# KiCad board tkl_keyboard.kicad_pcb
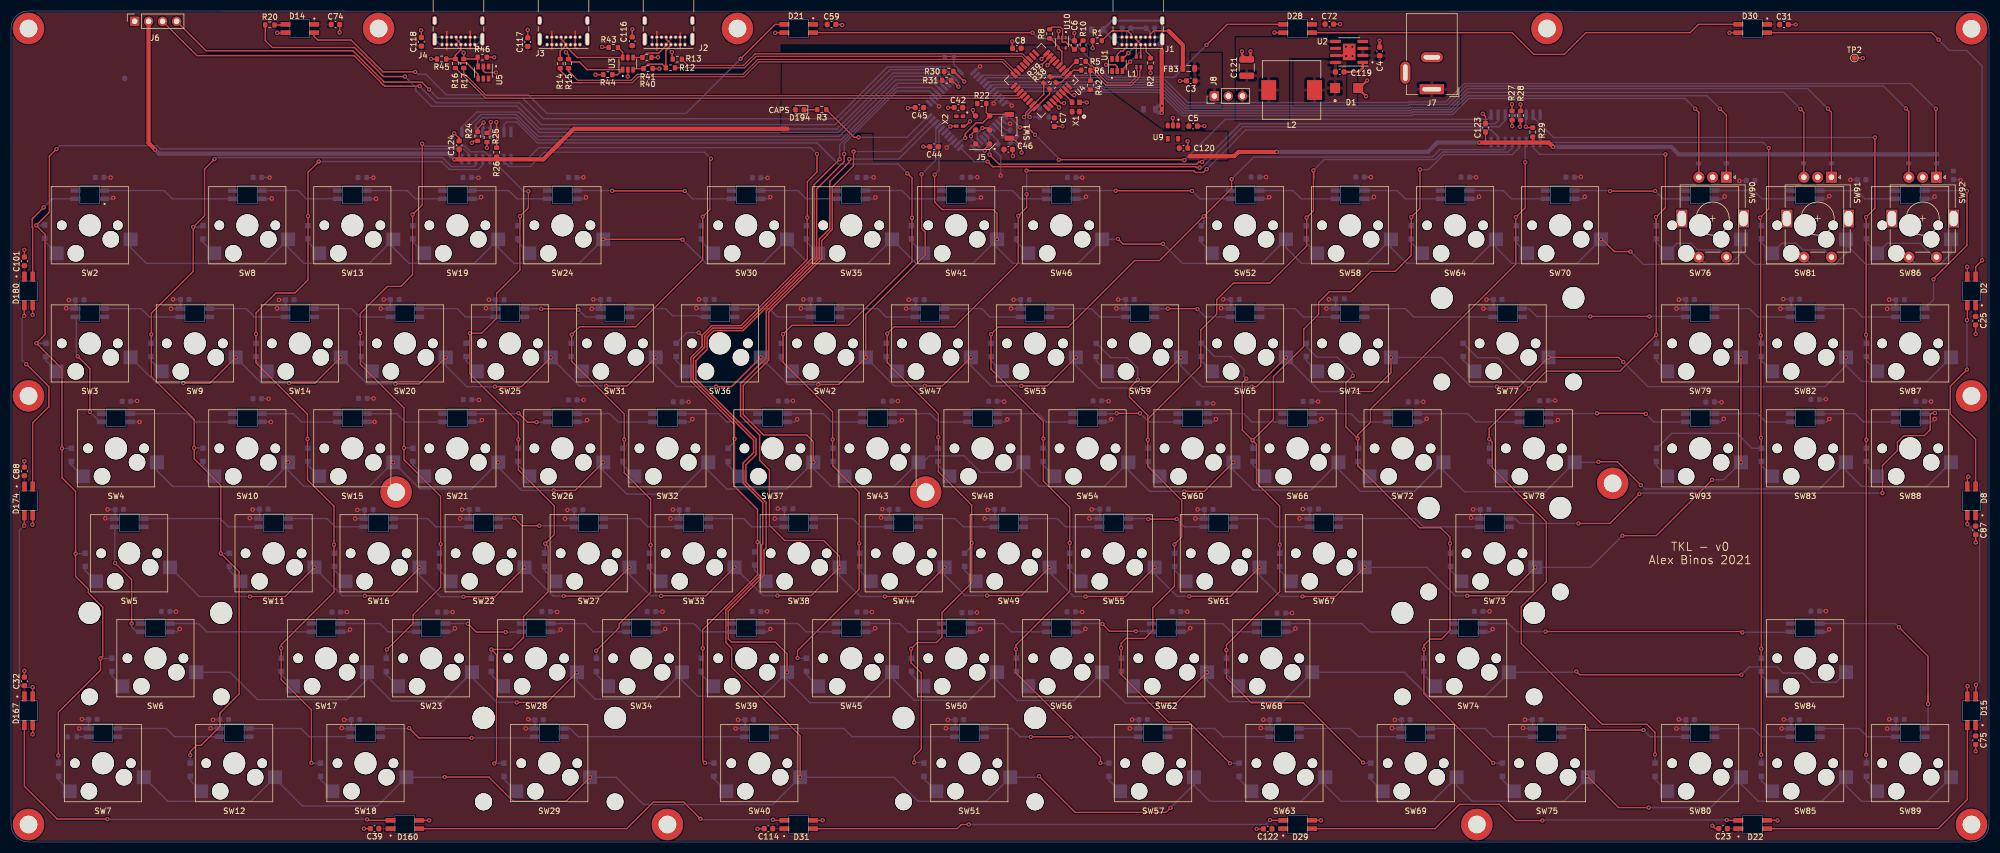
[diagram p0: board, top side]
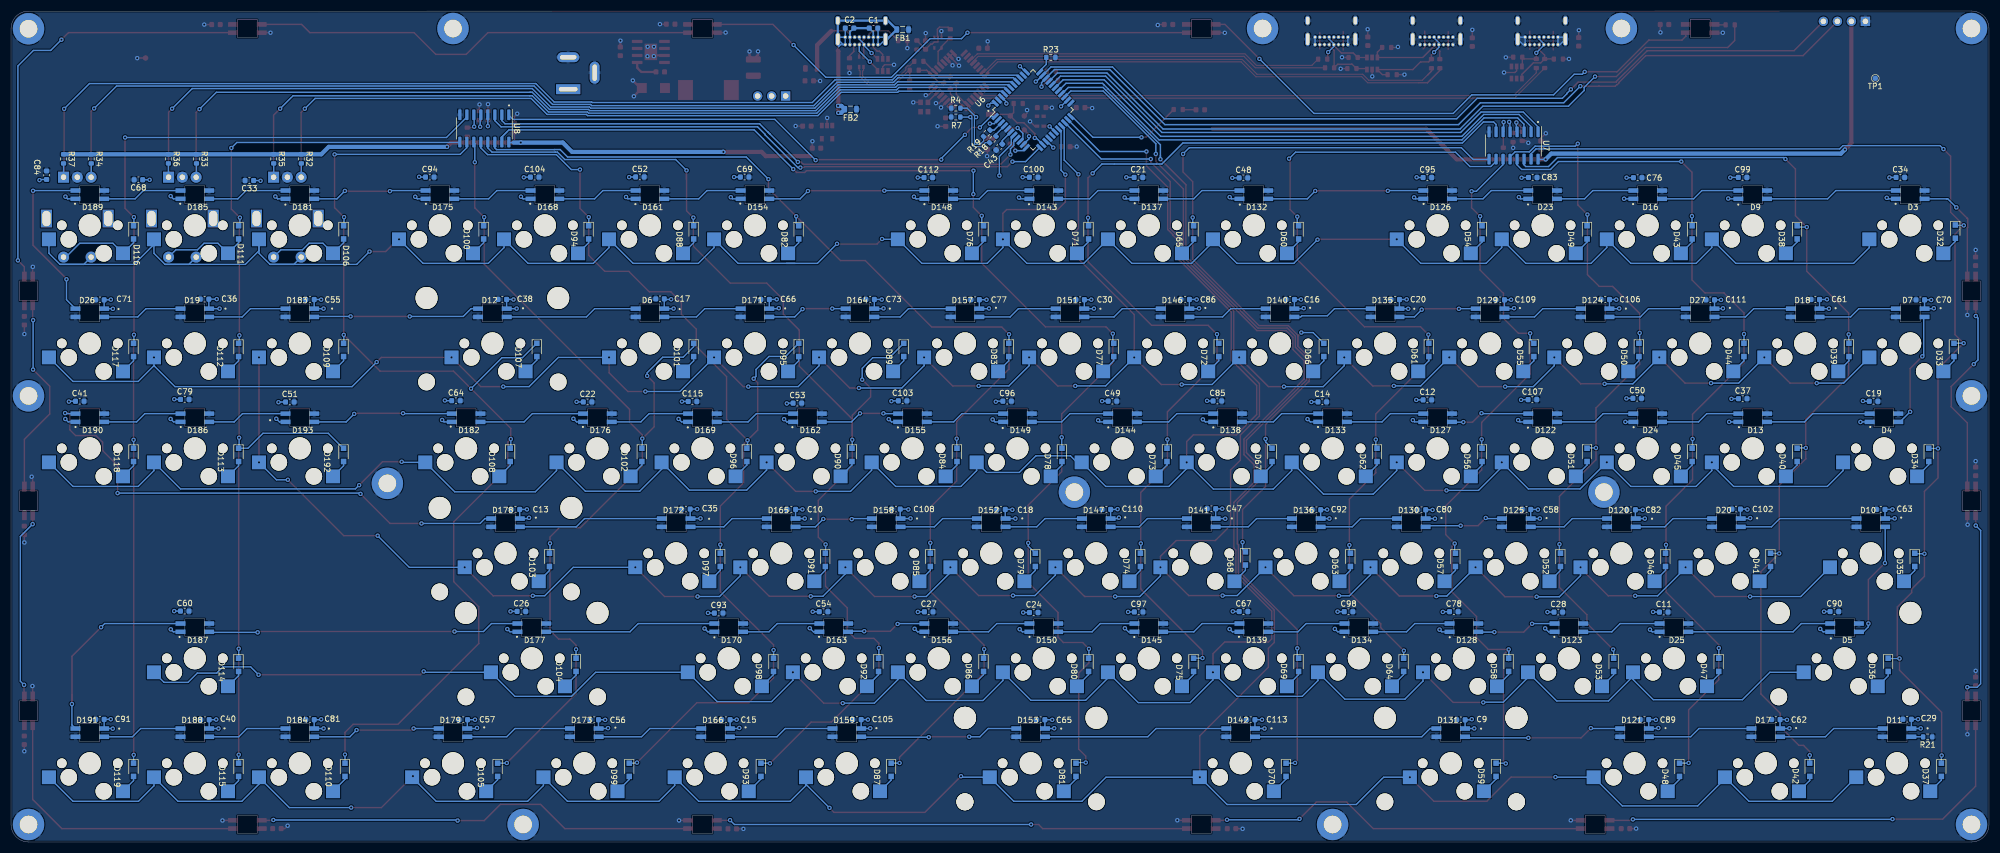
[diagram p1: board, bottom side, seen from below]

Outline 358.77 x 150.81 mm; copper layers: Top, Bottom. Coordinates in mm from the lower left corner of the outline.
Outline path: 0,147.64 0,3.18 arc(0.93,0.93) 3.18,0 355.6,0 arc(357.85,0.93) 358.77,3.18 358.77,147.62 arc(357.85,149.86) 355.6,150.79 3.18,150.81 arc(0.93,149.88) 0,147.64

## Placement (name value [footprint] x y rotation side)
C1  10uF  [C_0603_1608Metric]  202.33 147.7 180 bottom
C2  1uF  [C_0603_1608Metric]  206.68 147.7 0 bottom
C3  100nF  [C_0603_1608Metric]  213.99 138.13 180 top
C4  10uF  [C_0603_1608Metric]  248.26 143.49 90 top
C5  100nF  [C_0603_1608Metric]  214.42 129.93 0 top
C6  1uF  [C_0603_1608Metric]  192.89 144.63 270 top
C7  1uF  [C_0603_1608Metric]  189.24 130.65 270 top
C8  100nF  [C_0603_1608Metric]  182.45 144.06 180 top
C9  100nF  [C_0603_1608Metric]  95.8 22.17 0 bottom
C10  100nF  [C_0603_1608Metric]  217.25 60.36 0 bottom
C11  100nF  [C_0603_1608Metric]  58.99 41.73 180 bottom
C12  100nF  [C_0603_1608Metric]  101.87 80.23 180 bottom
C13  100nF  [C_0603_1608Metric]  267.28 60.36 0 bottom
C14  100nF  [C_0603_1608Metric]  120.93 79.88 180 bottom
C15  100nF  [C_0603_1608Metric]  229.12 22.19 0 bottom
C16  100nF  [C_0603_1608Metric]  126.76 98.46 0 bottom
C17  100nF  [C_0603_1608Metric]  241.06 98.57 0 bottom
C18  100nF  [C_0603_1608Metric]  179.21 60.36 0 bottom
C19  100nF  [C_0603_1608Metric]  20.93 79.98 180 bottom
C20  100nF  [C_0603_1608Metric]  107.71 98.46 0 bottom
C21  100nF  [C_0603_1608Metric]  154.28 120.62 180 bottom
C22  100nF  [C_0603_1608Metric]  254.19 79.86 180 bottom
C23  100nF  [C_0603_1608Metric]  310.55 2.43 180 top
C24  100nF  [C_0603_1608Metric]  173.27 41.65 180 bottom
C25  100nF  [C_0603_1608Metric]  356.36 94.62 270 top
C26  100nF  [C_0603_1608Metric]  266.2 41.85 180 bottom
C27  100nF  [C_0603_1608Metric]  192.32 41.78 180 bottom
C28  100nF  [C_0603_1608Metric]  78.12 41.73 180 bottom
C29  100nF  [C_0603_1608Metric]  14.85 22.27 0 bottom
C30  100nF  [C_0603_1608Metric]  164.86 98.42 0 bottom
C31  100nF  [C_0603_1608Metric]  321.6 148.36 0 top
C32  100nF  [C_0603_1608Metric]  2.42 29.15 90 top
C33  100nF  [C_0603_1608Metric]  315.54 120.05 0 bottom
C34  100nF  [C_0603_1608Metric]  16.08 120.62 180 bottom
C35  100nF  [C_0603_1608Metric]  236.36 60.42 0 bottom
C36  100nF  [C_0603_1608Metric]  323.67 98.52 0 bottom
C37  100nF  [C_0603_1608Metric]  44.67 80.46 180 bottom
C38  100nF  [C_0603_1608Metric]  269.66 98.47 0 bottom
C39  100nF  [C_0603_1608Metric]  65.94 2.42 180 top
C40  100nF  [C_0603_1608Metric]  323.61 22.19 0 bottom
C41  100nF  [C_0603_1608Metric]  346.3 79.99 180 bottom
C42  100nF  [C_0603_1608Metric]  171.84 133.29 180 top
C43  1uF  [C_0603_1608Metric]  179.53 126.12 315 bottom
C44  100nF  [C_0603_1608Metric]  167.45 126.18 180 top
C45  100nF  [C_0603_1608Metric]  164.77 133.28 180 top
C46  1uF  [C_0603_1608Metric]  180.9 125.71 0 top
C47  100nF  [C_0603_1608Metric]  141.05 60.48 0 bottom
C48  100nF  [C_0603_1608Metric]  135.23 120.53 180 bottom
C49  100nF  [C_0603_1608Metric]  158.99 80 180 bottom
C50  100nF  [C_0603_1608Metric]  63.8 80.52 180 bottom
C51  100nF  [C_0603_1608Metric]  308.2 79.85 180 bottom
C52  100nF  [C_0603_1608Metric]  244.7 120.69 180 bottom
C53  100nF  [C_0603_1608Metric]  216.14 79.65 180 bottom
C54  100nF  [C_0603_1608Metric]  211.39 41.8 180 bottom
C55  100nF  [C_0603_1608Metric]  304.56 98.46 0 bottom
C56  100nF  [C_0603_1608Metric]  253 22.19 0 bottom
C57  100nF  [C_0603_1608Metric]  276.75 22.19 0 bottom
C58  100nF  [C_0603_1608Metric]  83.9 60.36 0 bottom
C59  100nF  [C_0603_1608Metric]  148.82 148.37 0 top
C60  100nF  [C_0603_1608Metric]  327.27 41.9 180 bottom
C61  100nF  [C_0603_1608Metric]  31.51 98.46 0 bottom
C62  100nF  [C_0603_1608Metric]  38.67 22.22 0 bottom
C63  100nF  [C_0603_1608Metric]  19.63 60.36 0 bottom
C64  100nF  [C_0603_1608Metric]  278.07 80.09 180 bottom
C65  100nF  [C_0603_1608Metric]  172.02 22.19 0 bottom
C66  100nF  [C_0603_1608Metric]  222.01 98.47 0 bottom
C67  100nF  [C_0603_1608Metric]  135.22 41.83 180 bottom
C68  100nF  [C_0603_1608Metric]  335.67 120.19 0 bottom
C69  100nF  [C_0603_1608Metric]  225.7 120.68 180 bottom
C70  100nF  [C_0603_1608Metric]  12.46 98.39 0 bottom
C71  100nF  [C_0603_1608Metric]  342.66 98.39 0 bottom
C72  100nF  [C_0603_1608Metric]  239.13 148.43 0 top
C73  100nF  [C_0603_1608Metric]  202.96 98.47 0 bottom
C74  100nF  [C_0603_1608Metric]  58.85 148.37 0 top
C75  100nF  [C_0603_1608Metric]  356.37 18.46 270 top
C76  100nF  [C_0603_1608Metric]  63.72 120.57 180 bottom
C77  100nF  [C_0603_1608Metric]  183.91 98.42 0 bottom
C78  100nF  [C_0603_1608Metric]  97.07 41.8 180 bottom
C79  100nF  [C_0603_1608Metric]  327.25 80.32 180 bottom
C80  100nF  [C_0603_1608Metric]  102.95 60.29 0 bottom
C81  100nF  [C_0603_1608Metric]  304.56 22.19 0 bottom
C82  100nF  [C_0603_1608Metric]  64.91 60.29 0 bottom
C83  100nF  [C_0603_1608Metric]  82.75 120.61 180 bottom
C84  100nF  [C_0603_1608Metric]  352.32 121.01 90 bottom
C85  100nF  [C_0603_1608Metric]  139.95 80.04 180 bottom
C86  100nF  [C_0603_1608Metric]  145.81 98.47 0 bottom
C87  100nF  [C_0603_1608Metric]  356.37 56.55 270 top
C88  100nF  [C_0603_1608Metric]  2.42 67.26 90 top
C89  100nF  [C_0603_1608Metric]  62.5 22.22 0 bottom
C90  100nF  [C_0603_1608Metric]  28.04 41.83 180 bottom
C91  100nF  [C_0603_1608Metric]  342.66 22.26 0 bottom
C92  100nF  [C_0603_1608Metric]  122 60.29 0 bottom
C93  100nF  [C_0603_1608Metric]  230.42 41.55 180 bottom
C94  100nF  [C_0603_1608Metric]  282.82 120.67 180 bottom
C95  100nF  [C_0603_1608Metric]  101.87 120.59 180 bottom
C96  100nF  [C_0603_1608Metric]  178.09 80 180 bottom
C97  100nF  [C_0603_1608Metric]  154.24 41.75 180 bottom
C98  100nF  [C_0603_1608Metric]  116.17 41.8 180 bottom
C99  100nF  [C_0603_1608Metric]  44.69 120.62 180 bottom
C100  100nF  [C_0603_1608Metric]  173.28 120.64 180 bottom
C101  100nF  [C_0603_1608Metric]  2.43 105.38 90 top
C102  100nF  [C_0603_1608Metric]  45.86 60.42 0 bottom
C103  100nF  [C_0603_1608Metric]  197.05 80.07 180 bottom
C104  100nF  [C_0603_1608Metric]  263.79 120.67 180 bottom
C105  100nF  [C_0603_1608Metric]  205.35 22.22 0 bottom
C106  100nF  [C_0603_1608Metric]  69.61 98.46 0 bottom
C107  100nF  [C_0603_1608Metric]  82.82 80.28 180 bottom
C108  100nF  [C_0603_1608Metric]  198.26 60.42 0 bottom
C109  100nF  [C_0603_1608Metric]  88.66 98.39 0 bottom
C110  100nF  [C_0603_1608Metric]  160.1 60.36 0 bottom
C111  100nF  [C_0603_1608Metric]  50.56 98.39 0 bottom
C112  100nF  [C_0603_1608Metric]  192.39 120.59 180 bottom
C113  100nF  [C_0603_1608Metric]  133.92 22.19 0 bottom
C114  100nF  [C_0603_1608Metric]  137.39 2.41 180 top
C115  100nF  [C_0603_1608Metric]  235.17 79.95 180 bottom
C116  1uF  [C_0603_1608Metric]  112.67 145.32 90 top
C117  1uF  [C_0603_1608Metric]  93.73 145.17 90 top
C118  1uF  [C_0603_1608Metric]  74.42 145.22 90 top
C119  100nF  [C_0603_1608Metric]  241.01 139.75 180 top
C120  1uF  [C_0603_1608Metric]  212.67 125.93 0 top
C121  47uF  [C_1210_3225Metric]  224.13 140.55 90 top
C122  100nF  [C_0603_1608Metric]  227.95 2.38 180 top
C123  100nF  [C_0603_1608Metric]  267.46 129.64 90 top
C124  100nF  [C_0603_1608Metric]  81.28 126.46 90 top
D1  SSA33LEH3  [DO-214AC]  240.16 136.83 0 top
D2  UG_4  [SK6812-MINI-E]  355.6 100.01 90 bottom
D3  K0  [SK6812-MINI-E]  14.29 117.47 180 top
D4  K32  [SK6812-MINI-E]  19.05 76.99 180 top
D5  K63  [SK6812-MINI-E]  26.19 38.89 180 top
D6  K28  [SK6812-MINI-E]  242.89 96.04 0 top
D7  K16  [SK6812-MINI-E]  14.29 96.04 0 top
D8  UG_5  [SK6812-MINI-E]  355.6 61.91 90 bottom
D9  K1  [SK6812-MINI-E]  42.86 117.47 180 top
D10  K48  [SK6812-MINI-E]  21.43 57.94 0 top
D11  K77  [SK6812-MINI-E]  16.67 19.84 0 top
D12  K29  [SK6812-MINI-E]  271.46 96.04 0 top
D13  K33  [SK6812-MINI-E]  42.86 76.99 180 top
D14  UG_0  [SK6812-MINI-E]  52.39 147.64 180 bottom
D15  UG_6  [SK6812-MINI-E]  355.6 23.81 90 bottom
D16  K2  [SK6812-MINI-E]  61.91 117.47 180 top
D17  K64  [SK6812-MINI-E]  40.48 19.84 0 top
D18  K17  [SK6812-MINI-E]  33.34 96.04 0 top
D19  K30  [SK6812-MINI-E]  325.44 96.04 0 top
D20  K49  [SK6812-MINI-E]  47.62 57.94 0 top
D21  UG_1  [SK6812-MINI-E]  142.88 147.64 180 bottom
D22  UG_7  [SK6812-MINI-E]  315.91 3.18 0 bottom
D23  K3  [SK6812-MINI-E]  80.96 117.47 180 top
D24  K34  [SK6812-MINI-E]  61.91 76.99 180 top
D25  K65  [SK6812-MINI-E]  57.15 38.89 180 top
D26  K31  [SK6812-MINI-E]  344.49 96.04 0 top
D27  K18  [SK6812-MINI-E]  52.39 96.04 0 top
D28  UG_2  [SK6812-MINI-E]  233.36 147.64 180 bottom
D29  UG_8  [SK6812-MINI-E]  233.36 3.18 0 bottom
D30  UG_3  [SK6812-MINI-E]  315.91 147.64 180 bottom
D31  UG_9  [SK6812-MINI-E]  142.88 3.18 0 bottom
D32  D  [SOD323_HS]  6.1 111.98 270 bottom
D33  D  [SOD323_HS]  6.35 90.51 270 bottom
D34  D  [SOD323_HS]  10.92 71.46 270 bottom
D35  D  [SOD323_HS]  13.46 52.41 270 bottom
D36  D  [SOD323_HS]  18.29 33.36 270 bottom
D37  D  [SOD323_HS]  8.64 14.31 270 bottom
D38  D  [SOD323_HS]  34.8 111.84 270 bottom
D39  D  [SOD323_HS]  25.4 90.51 270 bottom
D40  D  [SOD323_HS]  34.8 71.46 270 bottom
D41  D  [SOD323_HS]  39.62 52.41 270 bottom
D42  D  [SOD323_HS]  32.51 14.31 270 bottom
D43  D  [SOD323_HS]  53.85 111.84 270 bottom
D44  D  [SOD323_HS]  44.45 90.51 270 bottom
D45  D  [SOD323_HS]  53.85 71.46 270 bottom
D46  D  [SOD323_HS]  58.67 52.41 270 bottom
D47  D  [SOD323_HS]  49.02 33.36 270 bottom
D48  D  [SOD323_HS]  56.13 14.31 270 bottom
D49  D  [SOD323_HS]  72.9 111.84 270 bottom
D50  D  [SOD323_HS]  63.5 90.51 270 bottom
D51  D  [SOD323_HS]  72.9 71.46 270 bottom
D52  D  [SOD323_HS]  77.72 52.41 270 bottom
D53  D  [SOD323_HS]  68.07 33.36 270 bottom
D54  D  [SOD323_HS]  91.95 111.84 270 bottom
D55  D  [SOD323_HS]  82.55 90.51 270 bottom
D56  D  [SOD323_HS]  91.95 71.46 270 bottom
D57  D  [SOD323_HS]  96.77 52.41 270 bottom
D58  D  [SOD323_HS]  87.12 33.36 270 bottom
D59  D  [SOD323_HS]  89.41 14.31 270 bottom
D60  D  [SOD323_HS]  125.22 111.84 270 bottom
D61  D  [SOD323_HS]  101.6 90.51 270 bottom
D62  D  [SOD323_HS]  111 71.46 270 bottom
D63  D  [SOD323_HS]  115.82 52.41 270 bottom
D64  D  [SOD323_HS]  106.17 33.36 270 bottom
D65  D  [SOD323_HS]  144.27 111.84 270 bottom
D66  D  [SOD323_HS]  120.65 90.51 270 bottom
D67  D  [SOD323_HS]  130.05 71.46 270 bottom
D68  D  [SOD323_HS]  134.87 52.66 270 bottom
D69  D  [SOD323_HS]  125.22 33.36 270 bottom
D70  D  [SOD323_HS]  127.51 14.31 270 bottom
D71  D  [SOD323_HS]  163.32 111.84 270 bottom
D72  D  [SOD323_HS]  139.7 90.51 270 bottom
D73  D  [SOD323_HS]  149.1 71.46 270 bottom
D74  D  [SOD323_HS]  153.92 52.41 270 bottom
D75  D  [SOD323_HS]  144.27 33.36 270 bottom
D76  D  [SOD323_HS]  182.37 111.84 270 bottom
D77  D  [SOD323_HS]  158.75 90.51 270 bottom
D78  D  [SOD323_HS]  168.15 71.46 270 bottom
D79  D  [SOD323_HS]  172.97 52.41 270 bottom
D80  D  [SOD323_HS]  163.32 33.36 270 bottom
D81  D  [SOD323_HS]  165.61 14.31 270 bottom
D82  D  [SOD323_HS]  215.9 111.84 270 bottom
D83  D  [SOD323_HS]  177.8 90.51 270 bottom
D84  D  [SOD323_HS]  187.2 71.46 270 bottom
D85  D  [SOD323_HS]  192.02 52.41 270 bottom
D86  D  [SOD323_HS]  182.37 33.36 270 bottom
D87  D  [SOD323_HS]  199.14 14.31 270 bottom
D88  D  [SOD323_HS]  234.95 111.84 270 bottom
D89  D  [SOD323_HS]  196.85 90.51 270 bottom
D90  D  [SOD323_HS]  206.25 71.46 270 bottom
D91  D  [SOD323_HS]  211.07 52.41 270 bottom
D92  D  [SOD323_HS]  201.42 33.36 270 bottom
D93  D  [SOD323_HS]  222.76 14.31 270 bottom
D94  D  [SOD323_HS]  254 111.84 270 bottom
D95  D  [SOD323_HS]  215.9 90.51 270 bottom
D96  D  [SOD323_HS]  225.3 71.46 270 bottom
D97  D  [SOD323_HS]  230.12 52.41 270 bottom
D98  D  [SOD323_HS]  220.47 33.36 270 bottom
D99  D  [SOD323_HS]  246.63 14.31 270 bottom
D100  D  [SOD323_HS]  273.05 111.84 270 bottom
D101  D  [SOD323_HS]  234.95 90.51 270 bottom
D102  D  [SOD323_HS]  244.35 71.46 270 bottom
D103  D  [SOD323_HS]  261.11 52.41 270 bottom
D104  D  [SOD323_HS]  256.29 33.36 270 bottom
D105  D  [SOD323_HS]  270.51 14.31 270 bottom
D106  D  [SOD323_HS]  298.45 111.84 270 bottom
D107  D  [SOD323_HS]  263.4 90.51 270 bottom
D108  D  [SOD323_HS]  268.22 71.46 270 bottom
D109  D  [SOD323_HS]  298.45 90.51 270 bottom
D110  D  [SOD323_HS]  298.2 14.31 270 bottom
D111  D  [SOD323_HS]  317.5 111.84 270 bottom
D112  D  [SOD323_HS]  317.5 90.51 270 bottom
D113  D  [SOD323_HS]  317.5 71.46 270 bottom
D114  D  [SOD323_HS]  317.5 33.36 270 bottom
D115  D  [SOD323_HS]  317.5 14.31 270 bottom
D116  D  [SOD323_HS]  336.55 111.84 270 bottom
D117  D  [SOD323_HS]  336.55 90.51 270 bottom
D118  D  [SOD323_HS]  336.55 71.46 270 bottom
D119  D  [SOD323_HS]  336.55 14.31 270 bottom
D120  K50  [SK6812-MINI-E]  66.67 57.94 0 top
D121  K78  [SK6812-MINI-E]  64.29 19.84 0 top
D122  K35  [SK6812-MINI-E]  80.96 76.99 180 top
D123  K66  [SK6812-MINI-E]  76.2 38.89 180 top
D124  K19  [SK6812-MINI-E]  71.44 96.04 0 top
D125  K51  [SK6812-MINI-E]  85.73 57.94 0 top
D126  K4  [SK6812-MINI-E]  100.01 117.47 180 top
D127  K36  [SK6812-MINI-E]  100.01 76.99 180 top
D128  K67  [SK6812-MINI-E]  95.25 38.89 180 top
D129  K20  [SK6812-MINI-E]  90.49 96.04 0 top
D130  K52  [SK6812-MINI-E]  104.78 57.94 0 top
D131  K79  [SK6812-MINI-E]  97.63 19.84 0 top
D132  K5  [SK6812-MINI-E]  133.35 117.47 180 top
D133  K37  [SK6812-MINI-E]  119.06 76.99 180 top
D134  K68  [SK6812-MINI-E]  114.3 38.89 180 top
D135  K21  [SK6812-MINI-E]  109.54 96.04 0 top
D136  K53  [SK6812-MINI-E]  123.83 57.94 0 top
D137  K6  [SK6812-MINI-E]  152.4 117.47 180 top
D138  K38  [SK6812-MINI-E]  138.11 76.99 180 top
D139  K69  [SK6812-MINI-E]  133.35 38.89 180 top
D140  K22  [SK6812-MINI-E]  128.59 96.04 0 top
D141  K54  [SK6812-MINI-E]  142.88 57.94 0 top
D142  K80  [SK6812-MINI-E]  135.73 19.84 0 top
D143  K7  [SK6812-MINI-E]  171.45 117.47 180 top
D144  K39  [SK6812-MINI-E]  157.16 76.99 180 top
D145  K70  [SK6812-MINI-E]  152.4 38.89 180 top
D146  K23  [SK6812-MINI-E]  147.64 96.04 0 top
D147  K55  [SK6812-MINI-E]  161.92 57.94 0 top
D148  K8  [SK6812-MINI-E]  190.5 117.47 180 top
D149  K40  [SK6812-MINI-E]  176.21 76.99 180 top
D150  K71  [SK6812-MINI-E]  171.45 38.89 180 top
D151  K24  [SK6812-MINI-E]  166.69 96.04 0 top
D152  K56  [SK6812-MINI-E]  180.97 57.94 0 top
D153  K81  [SK6812-MINI-E]  173.83 19.84 0 top
D154  K9  [SK6812-MINI-E]  223.84 117.47 180 top
D155  K41  [SK6812-MINI-E]  195.26 76.99 180 top
D156  K72  [SK6812-MINI-E]  190.5 38.89 180 top
D157  K25  [SK6812-MINI-E]  185.74 96.04 0 top
D158  K57  [SK6812-MINI-E]  200.02 57.94 0 top
D159  K82  [SK6812-MINI-E]  207.17 19.84 0 top
D160  UG_10  [SK6812-MINI-E]  71.44 3.18 0 bottom
D161  K10  [SK6812-MINI-E]  242.89 117.47 180 top
D162  K42  [SK6812-MINI-E]  214.31 76.99 180 top
D163  K73  [SK6812-MINI-E]  209.55 38.89 180 top
D164  K26  [SK6812-MINI-E]  204.79 96.04 0 top
D165  K58  [SK6812-MINI-E]  219.07 57.94 0 top
D166  K83  [SK6812-MINI-E]  230.98 19.84 0 top
D167  UG_11  [SK6812-MINI-E]  3.18 23.81 270 bottom
D168  K11  [SK6812-MINI-E]  261.94 117.47 180 top
D169  K43  [SK6812-MINI-E]  233.36 76.99 180 top
D170  K74  [SK6812-MINI-E]  228.6 38.89 180 top
D171  K27  [SK6812-MINI-E]  223.84 96.04 0 top
D172  K59  [SK6812-MINI-E]  238.12 57.94 0 top
D173  K84  [SK6812-MINI-E]  254.79 19.84 0 top
D174  UG_12  [SK6812-MINI-E]  3.18 61.91 270 bottom
D175  K12  [SK6812-MINI-E]  280.99 117.47 180 top
D176  K44  [SK6812-MINI-E]  252.41 76.99 180 top
D177  K75  [SK6812-MINI-E]  264.32 38.89 180 top
D178  K60  [SK6812-MINI-E]  269.08 57.94 0 top
D179  K85  [SK6812-MINI-E]  278.61 19.84 0 top
D180  UG_13  [SK6812-MINI-E]  3.18 100.01 270 bottom
D181  K13  [SK6812-MINI-E]  306.39 117.47 180 top
D182  K45  [SK6812-MINI-E]  276.22 76.99 180 top
D183  K61  [SK6812-MINI-E]  306.39 96.04 0 top
D184  K86  [SK6812-MINI-E]  306.39 19.84 0 top
D185  K14  [SK6812-MINI-E]  325.44 117.47 180 top
D186  K46  [SK6812-MINI-E]  325.44 76.99 180 top
D187  K76  [SK6812-MINI-E]  325.44 38.89 180 top
D188  K87  [SK6812-MINI-E]  325.44 19.84 0 top
D189  K15  [SK6812-MINI-E]  344.49 117.47 180 top
D190  K47  [SK6812-MINI-E]  344.49 76.99 180 top
D191  K88  [SK6812-MINI-E]  344.49 19.84 0 top
D192  D  [SOD323_HS]  298.45 71.46 270 bottom
D193  K62  [SK6812-MINI-E]  306.39 76.99 180 top
D194  LED  [D_0603_1608Metric]  143.05 132.89 180 top
FB1  Ferrite_Bead  [L_0805_2012Metric]  197.04 147.45 0 bottom
FB2  Ferrite_Bead  [L_0805_2012Metric]  206.48 132.99 0 bottom
FB3  Ferrite_Bead  [L_0805_2012Metric]  213.62 140.39 180 top
H1  MountingHole_Pad  [MountingHole_3.2mm_M3_ISO7380_Pad]  3.18 147.64 0 top
H2  MountingHole_Pad  [MountingHole_3.2mm_M3_ISO7380_Pad]  355.6 147.59 0 top
H3  MountingHole_Pad  [MountingHole_3.2mm_M3_ISO7380_Pad]  355.6 3.18 0 top
H4  MountingHole_Pad  [MountingHole_3.2mm_M3_ISO7380_Pad]  3.18 3.18 0 top
H5  MountingHole_Pad  [MountingHole_3.2mm_M3_ISO7380_Pad]  69.85 63.5 0 top
H6  MountingHole_Pad  [MountingHole_3.2mm_M3_ISO7380_Pad]  278.61 147.64 0 top
H7  MountingHole_Pad  [MountingHole_3.2mm_M3_ISO7380_Pad]  165.89 63.5 0 top
H8  MountingHole_Pad  [MountingHole_3.2mm_M3_ISO7380_Pad]  290.51 65.09 0 top
H9  MountingHole_Pad  [MountingHole_3.2mm_M3_ISO7380_Pad]  3.18 80.96 0 top
H10  MountingHole_Pad  [MountingHole_3.2mm_M3_ISO7380_Pad]  119.06 3.18 0 top
H11  MountingHole_Pad  [MountingHole_3.2mm_M3_ISO7380_Pad]  355.6 80.96 0 top
H12  MountingHole_Pad  [MountingHole_3.2mm_M3_ISO7380_Pad]  265.89 3.18 0 top
H13  MountingHole_Pad  [MountingHole_3.2mm_M3_ISO7380_Pad]  66.67 147.64 0 top
H14  MountingHole_Pad  [MountingHole_3.2mm_M3_ISO7380_Pad]  131.76 147.64 0 top
J1  USB_C_Receptacle_USB2.0  [USB_C_Receptacle_GCT_USB4085]  207.46 144.71 180 top
J2  USB_C_Receptacle_USB2.0  [USB_C_Receptacle_GCT_USB4085]  122.24 144.72 180 top
J3  USB_C_Receptacle_USB2.0  [USB_C_Receptacle_GCT_USB4085]  103.19 144.72 180 top
J4  USB_C_Receptacle_USB2.0  [USB_C_Receptacle_GCT_USB4085]  84.14 144.72 180 top
J5  Conn_02x03_Odd_Even  [ISP_POGO]  177.52 126.69 180 top
J6  Conn_01x04_Female  [OLED_128_64]  26.19 148.91 0 top
J7  Barrel_Jack  [BarrelJack_Wuerth_6941xx301002]  257.71 136.63 180 top
J8  Conn_01x03_Male  [PinHeader_1x03_P2.54mm_Vertical]  218.27 135.39 90 top
L1  L_Core_Iron_Coupled_1423  [SMM2012E]  204.54 141.59 0 top
L2  5.2uH  [L_10.4x10.4_H4.8]  232.28 136.48 180 top
R1  5K1  [R_0603_1608Metric]  197.03 145.42 0 top
R2  5K1  [R_0603_1608Metric]  206.69 141.41 90 top
R3  330R  [R_0603_1608Metric]  147.06 132.93 180 top
R4  OPT  [R_0603_1608Metric]  187.4 133.19 0 bottom
R5  22R  [R_0603_1608Metric]  194.11 141.67 0 top
R6  22R  [R_0603_1608Metric]  194.94 140.08 0 top
R7  OPT  [R_0603_1608Metric]  187.41 131.57 0 bottom
R8  OPT  [R_0603_1608Metric]  188.4 146.67 270 top
R10  4K7  [R_0603_1608Metric]  194.45 144.64 270 top
R12  22R  [R_0603_1608Metric]  119.61 140.51 0 top
R13  22R  [R_0603_1608Metric]  120.85 142.08 0 top
R14  22R  [R_0603_1608Metric]  99.61 141.26 270 top
R15  22R  [R_0603_1608Metric]  101.13 141.26 270 top
R16  22R  [R_0603_1608Metric]  80.59 141.29 270 top
R17  22R  [R_0603_1608Metric]  82.12 141.29 270 top
R18  22R  [R_0603_1608Metric]  180.7 127.5 315 bottom
R19  22R  [R_0603_1608Metric]  181.79 128.62 315 bottom
R20  Rt  [R_0603_1608Metric]  46.94 148.3 0 top
R21  Rt  [R_0603_1608Metric]  11.11 19.07 0 bottom
R22  10K  [R_0603_1608Metric]  176.09 134.03 0 top
R23  10K  [R_0603_1608Metric]  170.17 142.39 180 bottom
R24  10K  [R_0603_1608Metric]  84.66 128.07 270 top
R25  10K  [R_0603_1608Metric]  86.33 127.86 270 top
R26  10K  [R_0603_1608Metric]  88.09 125.18 270 top
R27  10K  [R_0603_1608Metric]  272.27 131.84 90 top
R28  10K  [R_0603_1608Metric]  273.83 131.83 90 top
R29  10K  [R_0603_1608Metric]  276.02 128.83 270 top
R30  4K7  [R_0603_1608Metric]  170.09 139.87 0 top
R31  4K7  [R_0603_1608Metric]  169.71 138.25 0 top
R32  10K  [R_0603_1608Metric]  306.12 123.98 270 bottom
R33  10K  [R_0603_1608Metric]  325.14 123.98 270 bottom
R34  10K  [R_0603_1608Metric]  344.22 123.98 270 bottom
R35  10K  [R_0603_1608Metric]  311.13 123.98 270 bottom
R36  10K  [R_0603_1608Metric]  330.23 123.98 270 bottom
R37  10K  [R_0603_1608Metric]  349.25 123.98 270 bottom
R38  OPT  [R_0603_1608Metric]  188.97 137.23 45 top
R39  OPT  [R_0603_1608Metric]  187.89 138.31 45 top
R40  15K  [R_0603_1608Metric]  115.56 140.36 0 top
R41  15K  [R_0603_1608Metric]  115.34 142.39 0 top
R42  1K5  [R_0603_1608Metric]  195.77 137.36 270 top
R43  15K  [R_0603_1608Metric]  109.24 144.2 180 top
R44  15K  [R_0603_1608Metric]  108.25 139.26 180 top
R45  15K  [R_0603_1608Metric]  78.1 142.1 180 top
R46  15K  [R_0603_1608Metric]  85.47 142.44 0 top
SW1  SW_Push  [SW_SPST_B3U-1000P]  181.13 129.91 270 top
SW2  K0  [CherryMX_1.00u_PCB_KailhSocket]  14.29 111.92 180 top
SW3  K16  [CherryMX_1.00u_PCB_KailhSocket]  14.29 90.49 180 top
SW4  K32  [CherryMX_1.50u_PCB_KailhSocket]  19.05 71.44 180 top
SW5  K48  [CherryMX_1.75u_PCB_KailhSocket]  21.43 52.39 180 top
SW6  K63  [CherryMX_2.25u_PCB_KailhSocket_StabWireBottom]  26.19 33.34 180 top
SW7  K77  [CherryMX_1.25u_PCB_KailhSocket]  16.67 14.29 180 top
SW8  K1  [CherryMX_1.00u_PCB_KailhSocket]  42.86 111.92 180 top
SW9  K17  [CherryMX_1.00u_PCB_KailhSocket]  33.34 90.49 180 top
SW10  K33  [CherryMX_1.00u_PCB_KailhSocket]  42.86 71.44 180 top
SW11  K49  [CherryMX_1.00u_PCB_KailhSocket]  47.62 52.39 180 top
SW12  K64  [CherryMX_1.25u_PCB_KailhSocket]  40.48 14.29 180 top
SW13  K2  [CherryMX_1.00u_PCB_KailhSocket]  61.91 111.92 180 top
SW14  K18  [CherryMX_1.00u_PCB_KailhSocket]  52.39 90.49 180 top
SW15  K34  [CherryMX_1.00u_PCB_KailhSocket]  61.91 71.44 180 top
SW16  K50  [CherryMX_1.00u_PCB_KailhSocket]  66.67 52.39 180 top
SW17  K65  [CherryMX_1.00u_PCB_KailhSocket]  57.15 33.34 180 top
SW18  K78  [CherryMX_1.25u_PCB_KailhSocket]  64.29 14.29 180 top
SW19  K3  [CherryMX_1.00u_PCB_KailhSocket]  80.96 111.92 180 top
SW20  K19  [CherryMX_1.00u_PCB_KailhSocket]  71.44 90.49 180 top
SW21  K35  [CherryMX_1.00u_PCB_KailhSocket]  80.96 71.44 180 top
SW22  K51  [CherryMX_1.00u_PCB_KailhSocket]  85.73 52.39 180 top
SW23  K66  [CherryMX_1.00u_PCB_KailhSocket]  76.2 33.34 180 top
SW24  K4  [CherryMX_1.00u_PCB_KailhSocket]  100.01 111.92 180 top
SW25  K20  [CherryMX_1.00u_PCB_KailhSocket]  90.49 90.49 180 top
SW26  K36  [CherryMX_1.00u_PCB_KailhSocket]  100.01 71.44 180 top
SW27  K52  [CherryMX_1.00u_PCB_KailhSocket]  104.78 52.39 180 top
SW28  K67  [CherryMX_1.00u_PCB_KailhSocket]  95.25 33.34 180 top
SW29  K79  [CherryMX_2.25u_PCB_KailhSocket_StabWireBottom]  97.63 14.29 180 top
SW30  K5  [CherryMX_1.00u_PCB_KailhSocket]  133.35 111.92 180 top
SW31  K21  [CherryMX_1.00u_PCB_KailhSocket]  109.54 90.49 180 top
SW32  K37  [CherryMX_1.00u_PCB_KailhSocket]  119.06 71.44 180 top
SW33  K53  [CherryMX_1.00u_PCB_KailhSocket]  123.83 52.39 180 top
SW34  K68  [CherryMX_1.00u_PCB_KailhSocket]  114.3 33.34 180 top
SW35  K6  [CherryMX_1.00u_PCB_KailhSocket]  152.4 111.92 180 top
SW36  K22  [CherryMX_1.00u_PCB_KailhSocket]  128.59 90.49 180 top
SW37  K38  [CherryMX_1.00u_PCB_KailhSocket]  138.11 71.44 180 top
SW38  K54  [CherryMX_1.00u_PCB_KailhSocket]  142.88 52.39 180 top
SW39  K69  [CherryMX_1.00u_PCB_KailhSocket]  133.35 33.34 180 top
SW40  K80  [CherryMX_6.25u_PCB_KailhSocket_StabWireBottom]  135.73 14.29 180 top
SW41  K7  [CherryMX_1.00u_PCB_KailhSocket]  171.45 111.92 180 top
SW42  K23  [CherryMX_1.00u_PCB_KailhSocket]  147.64 90.49 180 top
SW43  K39  [CherryMX_1.00u_PCB_KailhSocket]  157.16 71.44 180 top
SW44  K55  [CherryMX_1.00u_PCB_KailhSocket]  161.92 52.39 180 top
SW45  K70  [CherryMX_1.00u_PCB_KailhSocket]  152.4 33.34 180 top
SW46  K8  [CherryMX_1.00u_PCB_KailhSocket]  190.5 111.92 180 top
SW47  K24  [CherryMX_1.00u_PCB_KailhSocket]  166.69 90.49 180 top
SW48  K40  [CherryMX_1.00u_PCB_KailhSocket]  176.21 71.44 180 top
SW49  K56  [CherryMX_1.00u_PCB_KailhSocket]  180.97 52.39 180 top
SW50  K71  [CherryMX_1.00u_PCB_KailhSocket]  171.45 33.34 180 top
SW51  K81  [CherryMX_2.25u_PCB_KailhSocket_StabWireBottom]  173.83 14.29 180 top
SW52  K9  [CherryMX_1.00u_PCB_KailhSocket]  223.84 111.92 180 top
SW53  K25  [CherryMX_1.00u_PCB_KailhSocket]  185.74 90.49 180 top
SW54  K41  [CherryMX_1.00u_PCB_KailhSocket]  195.26 71.44 180 top
SW55  K57  [CherryMX_1.00u_PCB_KailhSocket]  200.02 52.39 180 top
SW56  K72  [CherryMX_1.00u_PCB_KailhSocket]  190.5 33.34 180 top
SW57  K82  [CherryMX_1.25u_PCB_KailhSocket]  207.17 14.29 180 top
SW58  K10  [CherryMX_1.00u_PCB_KailhSocket]  242.89 111.92 180 top
SW59  K26  [CherryMX_1.00u_PCB_KailhSocket]  204.79 90.49 180 top
SW60  K42  [CherryMX_1.00u_PCB_KailhSocket]  214.31 71.44 180 top
SW61  K58  [CherryMX_1.00u_PCB_KailhSocket]  219.07 52.39 180 top
SW62  K73  [CherryMX_1.00u_PCB_KailhSocket]  209.55 33.34 180 top
SW63  K83  [CherryMX_1.25u_PCB_KailhSocket]  230.98 14.29 180 top
SW64  K11  [CherryMX_1.00u_PCB_KailhSocket]  261.94 111.92 180 top
SW65  K27  [CherryMX_1.00u_PCB_KailhSocket]  223.84 90.49 180 top
SW66  K43  [CherryMX_1.00u_PCB_KailhSocket]  233.36 71.44 180 top
SW67  K59  [CherryMX_1.00u_PCB_KailhSocket]  238.12 52.39 180 top
SW68  K74  [CherryMX_1.00u_PCB_KailhSocket]  228.6 33.34 180 top
SW69  K84  [CherryMX_1.25u_PCB_KailhSocket]  254.79 14.29 180 top
SW70  K12  [CherryMX_1.00u_PCB_KailhSocket]  280.99 111.92 180 top